# Allegro board IMX7D EVK BOARD REV D_160314.brd (continued)
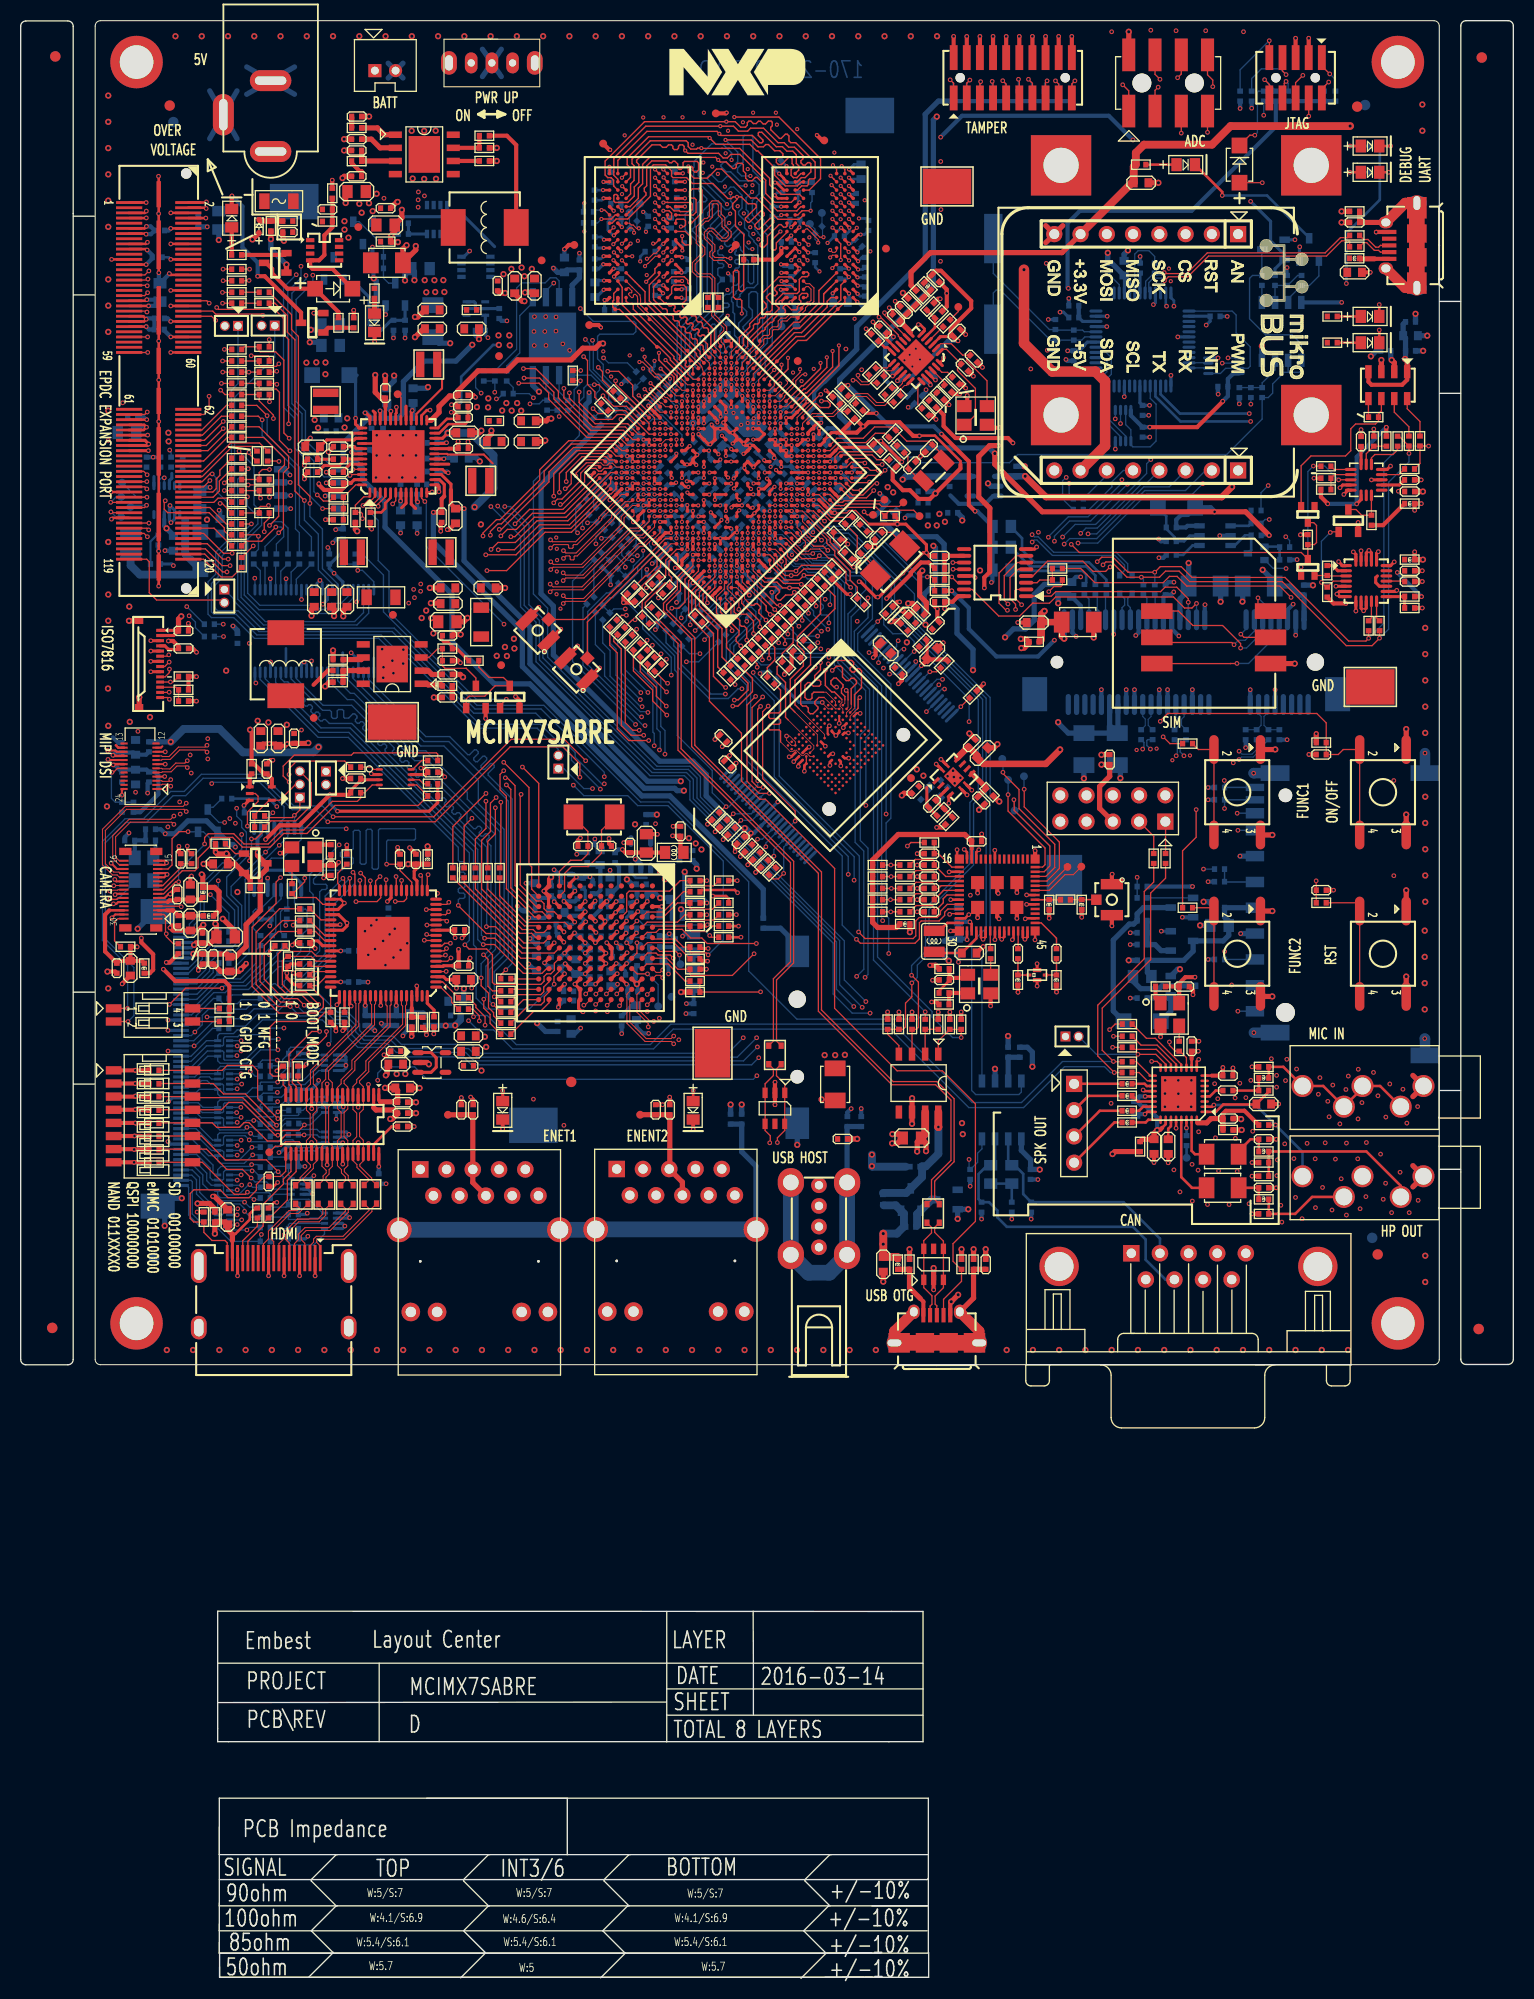
[diagram p0: board, top side]
## Routing (per net, layer and track width the routed paths; a pad name or vN(x,y) marks a point on that pad's centre or on a via; arc(x,y) is an arc through that point) (continued)
MX7_RST_B: length 36
  TOP w0.127: R347.2 C368.1 v1(125.3,106.16)
  L6_INT_2 w0.127: v1(122.39,136.37) 122.39,126.76 123.2,125.95 123.2,120.92 125.3,118.82 v1(125.3,106.16)
  BOTTOM w0.127: v1(122.39,136.37) 122.37,136.38 121.14,136.38 120.33,137.18 D15.2
NAND_ALE: length 20.8
  TOP w0.127: v1(71.81,115.2) 71.8,115.21 71.3,115.21 70.74,115.76 70.74,122.92 v1(71.77,123.95)
  L6_INT_2 w0.127: v1(75.27,130.78) 75.08,130.59 75.08,129.24 73.37,127.53 73.37,125.55 v1(71.77,123.95)
  BOTTOM w0.127: R457.2 74.59,131.46 v1(75.27,130.78) ; U12.17 v1(71.81,115.2)
NAND_CE0_B: length 29.6
  TOP w0.127: v1(72.07,109.46) 72.07,109.46 R334.2
  L3_INT_1 w0.127: v1(72.07,109.46) 72.07,111.37 61.58,121.86 61.58,122.76 v1(59.98,124.36)
  BOTTOM w0.127: R474.2 57.74,128.92 58.05,128.61 58.05,126.29 v1(59.98,124.36) ; U12.9 72.07,109.81 v1(72.07,109.46)
NAND_CE1_B: length 29.8
  TOP w0.127: v1(71.27,110.18) 71.27,110.18 R333.2
  L3_INT_1 w0.127: v1(71.27,110.18) 71.27,111.65 61.12,121.79 61.12,122.65 60.09,123.69 v1(59.93,123.69)
  BOTTOM w0.127: U12.10 71.74,110.18 v1(71.27,110.18) ; R473.2 56.98,129.18 57.58,128.58 57.58,126.04 v1(59.93,123.69)
NAND_CE2_B: length 34.2
  TOP w0.127: v1(69.66,112.01) 69.09,111.44 R335.2
  L3_INT_1 w0.127: v1(60.06,122.01) 60.34,122.01 69.66,112.69 v1(69.66,112.01)
  BOTTOM w0.127: U12.14 70.73,112.01 v1(69.66,112.01) ; R337.2 56.91,134 56.65,134 54.85,132.2 54.85,127.07 59.9,122.01 v1(60.06,122.01)
NAND_CE3_B: length 30.8
  TOP w0.127: v1(68.92,112.64) 68.91,112.64 R336.2
  L3_INT_1 w0.127: v1(68.92,112.64) 68.24,112.64 67.39,113.49 67.39,114.46 60.67,121.18 v1(60.39,121.18)
  BOTTOM w0.127: v1(60.39,121.18) 60.21,121.18 54.39,126.99 54.39,132.56 R338.2 ; U12.15 70.66,112.64 v1(68.92,112.64)
NAND_CLE: length 19.9
  TOP w0.127: v1(72.42,114.62) 71.42,114.62 70.25,115.8 70.25,123.17 v1(71.08,124)
  L6_INT_2 w0.127: v1(73.32,129.18) 72.91,128.77 72.91,125.82 v1(71.08,124)
  BOTTOM w0.127: R456.2 73.07,129.15 73.29,129.15 v1(73.32,129.18) ; v1(72.42,114.62) 72.39,114.59 71.9,114.59 U12.16
NAND_D0: length 16.4
  L3_INT_1 w0.127: v1(82.05,128.24) 82.05,128.24 81.85,128.43 81.44,128.43 81.32,128.3 81.32,127.73 81.19,127.6 80.94,127.6 80.81,127.73 80.81,128.3 80.68,128.43 80.43,128.43 80.3,128.3 80.3,127.73 80.17,127.6 79.92,127.6 79.79,127.73 79.79,128.3 79.67,128.43 79.41,128.43 79.29,128.3 79.29,127.81 79.16,127.68 78.9,127.68 78.78,127.81 78.78,128.3 78.65,128.43 v1(78.12,128.43)
  BOTTOM w0.127: v1(82.05,128.24) 82.72,128.24 U12.29 ; v1(78.12,128.43) 77.84,128.15 71.51,128.15 R448.2
NAND_D1: length 14.9
  L3_INT_1 w0.127: v1(78.17,127.77) 79.13,126.82 82.52,126.82 v1(82.97,127.26)
  BOTTOM w0.127: v1(78.17,127.77) 73.18,127.77 72.45,127.04 71.61,127.04 71.02,127.64 R449.2 ; v1(82.97,127.26) 82.97,127.78 U12.30
NAND_D2: length 14.3
  L3_INT_1 w0.127: v1(78.17,131.1) 78.5,131.44 79.44,131.44 80.08,130.79 83.23,130.79 83.76,130.27 85.03,130.27 85.41,129.89 85.41,129.69 85.25,129.53 85.03,129.53 v1(84.87,129.38)
  BOTTOM w0.127: v1(78.17,131.1) 78.17,131.69 77.99,131.87 77.46,131.87 77.3,132.02 77.3,132.23 77.63,132.56 77.63,132.78 77.01,133.4 R451.2 ; v1(84.87,129.38) 84.72,129.23 84.72,128.82 U12.31
NAND_D3: length 14.3
  L3_INT_1 w0.127: v1(78.07,130.48) 78.16,130.4 78.64,130.4 78.76,130.52 78.76,130.93 78.89,131.06 79.14,131.06 79.27,130.93 79.27,130.52 79.4,130.4 83.1,130.4 83.63,129.87 84.29,129.87 84.39,129.76 84.39,129.11 84.93,128.57 v1(85.43,128.57)
  BOTTOM w0.127: R450.2 76.15,132.78 76.69,132.24 76.69,131.87 v1(78.07,130.48) ; U12.32 85.17,128.57 v1(85.43,128.57)
NAND_D4: length 18.7
  L3_INT_1 w0.127: v1(77.45,130.3) 77.74,130.02 82.81,130.02 87.18,125.65 v1(89.17,125.65)
  BOTTOM w0.127: R452.2 75.47,132.12 77.3,130.3 v1(77.45,130.3) ; U12.41 88.62,125.65 v1(89.17,125.65)
NAND_D5: length 18.5
  L3_INT_1 w0.127: v1(77.08,129.83) 77.28,129.63 82.59,129.63 87.1,125.12 v1(88.8,125.12)
  BOTTOM w0.127: v1(88.8,125.12) 88.8,125.12 U12.42 ; v1(77.08,129.83) 75.15,129.83 74.17,130.82 R453.2
NAND_D6: length 19.9
  L3_INT_1 w0.127: v1(77.1,129.2) 77.18,129.28 82.36,129.28 87.05,124.59 89.23,124.59 v1(89.35,124.71)
  BOTTOM w0.127: R455.2 73.88,129.58 74.74,129.58 75.13,129.2 v1(77.1,129.2) ; v1(89.35,124.71) 89.09,124.71 U12.43
NAND_D7: length 20.5
  L3_INT_1 w0.127: v1(87.61,122.52) 87.61,123.48 82.19,128.9 77.7,128.9 77.4,128.59 v1(77.39,128.59)
  BOTTOM w0.127: U12.44 87.61,122.52 v1(87.61,122.52) ; R454.2 72.36,128.59 v1(77.39,128.59)
NAND_DQS: length 38.5
  L6_INT_2 w0.127: v1(60.11,123.01) 60.97,123.01 62.9,121.08 73.29,121.08 76.21,124 80,124 82.16,126.16 v1(84.03,126.16)
  BOTTOM w0.127: R342.2 56.3,131.39 56.3,129.15 57.01,128.44 57.01,125.95 59.96,123.01 v1(60.11,123.01) ; v1(84.03,126.16) 84.88,126.16 U12.35
NAND_RE_B: length 28.5
  TOP w0.127: v1(74.91,111.93) 74.91,112.9 71.77,116.05 71.77,122.52 v1(72.3,123.06)
  L6_INT_2 w0.127: v1(78.27,132.86) 78.27,132.43 76.03,130.19 76.03,126.79 v1(72.3,123.06)
  BOTTOM w0.127: v1(78.27,132.86) 78.32,132.91 78.32,134.13 R459.2 ; U12.8 74.9,111.93 v1(74.91,111.93)
NAND_READY_B: length 31
  TOP w0.127: v1(72.85,108.54) 72.66,108.54 R98.2 73.02,107.42 R339.1
  L3_INT_1 w0.127: v1(60.67,124.38) 61.99,123.06 61.99,121.99 72.85,111.12 v1(72.85,108.54)
  BOTTOM w0.127: U12.7 72.85,109.18 v1(72.85,108.54) ; R475.2 58.48,126.57 v1(60.67,124.38)
NAND_WE_B: length 23
  TOP w0.127: v1(71.29,115.84) 71.29,122.75 v1(71.56,123.03)
  L6_INT_2 w0.127: v1(71.56,123.03) 75.58,127.04 75.58,130.4 77.81,132.63 v1(77.81,133.39)
  BOTTOM w0.127: U12.18 71.29,115.39 v1(71.29,115.84) ; R458.2 77.16,134.05 v1(77.81,133.39)
NAND_WP_B: length 26.8
  TOP w0.127: R97.2 68.13,113.33 v1(68.24,113.33)
  BOTTOM w0.127: R112.2 60.54,132.07 60.54,130.63 63.25,127.92 63.25,126.57 63.51,126.31 63.51,120.21 66.89,116.83 66.89,114.67 v1(68.24,113.33) 68.52,113.33 69.26,114.07 U12.19
NVCC_1V8: length 13.6
  TOP w0.254: v1(12.24,167.17) 12.14,167.26 J13.19 ; v1(12.26,167.92) 12.1,167.76 J13.17 ; J13.25 v1(12.14,165.76) ; J13.1 v1(12.14,171.76)
  TOP w0.305: v3(68.75,142.28) 68.94,142.47 U7.L9 v3(69.75,142.47)
  TOP w0.508: R329.2 88.49,97.99 v1(87.95,97.99) ; v2(32.55,139.97) 32.37,140.15 R27.1 ; L15.1 v2(86.01,101.19)
  BOTTOM w0.305: C124.1 70.29,143.01 v3(69.75,142.47)
  BOTTOM w0.406: v1(12.14,165.76) 12.72,166.35 C254.1 12.72,166.69 v1(12.24,167.17)
  vias: v2(44.13,151.99) v2(45.23,152.82) v2(45.21,151.95)
NVCC_3V3: length 178.1
  TOP w0.254: J13.5 11.98,170.76 v1(12.15,170.94) ; U7.F10 66.08,139.82 66.08,139.82 v3(66.08,139.79) ; U7.M8 70.58,142.22 70.77,142.22 v3(70.79,142.24) ; U7.F12 65.02,141.94 v3(65.02,141.94) ; v3(64.58,144.26) 64.29,144.26 U7.H16 ; J13.45 11.86,160.76 v1(12.15,160.48) 11.93,160.26 J13.47 ; J13.49 v1(12.14,159.76) ; v3(70.86,143.54) 70.85,143.53 U7.N9 ; U7.F9 v3(66.61,139.29)
  TOP w0.305: R60.1 78.46,135.34 R59.1 79.91,133.88 v1(80.25,133.88) ; v1(24.78,87.78) 25.23,88.23 R142.1 ; U7.L17 64.74,146.43 v3(64.45,146.43) 64.24,146.43 U7.K18 ; U7.L17 65.02,146.7 v3(65.34,146.38) ; U7.L17 65.02,146.94 v3(65.43,147.36) 65.43,147.36 U7.M18 ; R139.2 26.38,96.15 25.74,96.79 v1(25.74,97.22) 25.74,97.76 R580.1 26.09,98.11 R132.1 ; 31.94,144.64 32.26,144.96 U4.47 ; v1(24.07,99) 24.07,99.34 R581.1 ; U45.7 39.15,116.43 C460.1 39.37,116.77 39.08,117.06 v1(38.71,117.06) ; U4.32 35.78,151.58 35.78,151.58 v1(35.82,151.58) ; R143.1 27.41,88.18 v1(27.64,88.41) ; 38.33,89.55 39.69,89.55 40.19,89.05 40.19,88.13 39.7,87.63 U14.3 ; 34.14,84.22 U15.2
  TOP w0.406: R318.1 11.63,81.44 11.59,81.48 v1(11.01,81.48) 11.01,81.47 SW2.6 ; v1(116.27,152.55) 116.27,152.52 113.79,150.04 v1(109.21,150.04) ; R477.1 112.04,95.94 C389.1 ; X3.4 112.05,94.34 C389.1 ; 31.94,144.64 C405.1 31.21,144.17 31,143.96 29.35,143.96 28.84,144.47 v1(28.84,144.57) ; R353.2 87.83,136.95 87.08,136.95 86.09,135.96 86.09,135.81 v1(83.76,133.47) ; v1(39.25,91.26) 39.25,91.63 R134.2 ; SW2.3 11.05,85.28 v1(11.11,85.34) 11.74,85.34 11.79,85.29 R315.1 ; SW2.4 11.08,84.01 v1(11.1,84.03) 11.73,84.03 11.78,83.98 R316.1 ; X2.4 28.49,107.65 C388.1 ; SW2.1 11.08,87.82 v1(11.09,87.84) 11.14,87.84 11.15,87.82 R313.1 ; R314.1 11.79,86.52 11.76,86.55 v1(11.07,86.55) 11.07,86.55 SW2.2 ; C388.1 30.45,107.65 v1(30.75,107.95) ; C388.1 R472.1 ; R257.2 v1(86.21,93.47) ; R317.1 11.11,82.71 v1(11.1,82.73) 11.08,82.74 SW2.5 ; R252.1 v1(84.95,93.47) ; v1(89.37,132.48) 89.36,132.48 C385.1 90.14,133.15 90.68,133.69 U38.16 ; SW2.8 10.96,78.93 v1(10.96,78.93) 11.7,78.93 11.72,78.91 R320.1 ; R253.1 v1(89.87,93.46) ; R319.1 11.71,80.17 11.71,80.18 v1(10.97,80.18) 10.95,80.2 SW2.7 ; C389.1 112.05,96.24 112.66,96.84 v1(113.58,96.84) ; 93.74,136.04 93.2,135.5 v1(93.2,134.49) ; R255.2 v1(88.75,93.47)
  TOP w0.508: v2(84.16,131.27) 84.89,131.27 R46.2 ; R327.1 94.61,113.83 v2(94.65,113.83) ; 34.14,84.22 34.37,83.99 36.15,83.99 C231.1 36.46,83.63 35.95,83.13 v2(35.75,83.13) ; v2(39.36,109.49) 39.37,109.48 39.37,109.24 39.37,109.23 L12.2 ; 93.74,136.04 93.74,142.21 92.67,143.27 92.67,147.21 93.71,148.25 v1(94.55,148.25)
  L6_INT_2 w0.406: v1(94.55,148.25) 95.34,147.47 103.9,147.47 105.24,148.81 107.98,148.81 v1(109.21,150.04)
  BOTTOM w0.254: v3(70.86,143.54) 71.57,143.54 C127.1 ; v3(70.79,142.24) 71.07,142.53 C118.1 ; v1(24.77,113.34) 24.01,114.11 R637.1 ; C113.1 64.57,144.25 v3(64.58,144.26)
  BOTTOM w0.305: C112.1 65.83,147.75 v3(65.43,147.36) ; v1(28.82,86.86) 28.82,86.66 28.15,86 26.95,86 R191.1 R190.1 ; C114.1 65.34,146.46 v3(65.34,146.38) ; R194.1 v1(27.82,89.45) ; v3(65.02,141.94) 64.66,141.94 64.12,141.4 63.34,141.4 C101.1 ; v3(64.45,146.43) 64.25,146.23 C109.1 ; v1(24.98,79.88) 25.11,79.88 25.78,80.55 R189.1 ; R34.1 56.3,136.45 R33.1 v1(57.06,134.79) ; v1(27.49,78.53) 27.44,78.53 27.43,78.54 R187.1 R188.1 ; R64.1 70.22,131.6 v1(70.22,131.26) ; R184.1 R183.1 27.53,71.53 v1(27.77,71.77) ; C122.1 66.74,139.29 v3(66.61,139.29) ; R192.1 R193.1 27.64,88.42 v1(27.64,88.41) ; v3(66.08,139.79) 65.45,140.42 C117.1 ; R186.1 R185.1 27.6,73.89 v1(27.72,74.01) ; R62.1 73.27,134.47 R61.1 72.87,134.07 v1(72.65,134.07) 72.7,134.02 72.7,133.23 R63.1
  BOTTOM w0.406: U19.8 107.38,151.17 C245.1 109.21,150.04 v1(109.21,150.04) ; v1(12.14,159.76) 12.42,159.48 C255.1 12.94,159.5 C256.1 12.23,160.56 v1(12.15,160.48) ; v1(30.47,140.13) 30.53,140.19 C408.1 31.18,141.8 30.82,142.16 U41.8 ; v1(116.27,152.55) 116.76,153.04 C241.1 116.76,154.7 117.29,155.23 U17.8 ; C48.1 35.62,152.16 35.62,151.78 v1(35.82,151.58)
  vias: v2(36.37,87.47) v2(37.2,87.48) v2(91.05,82.72) v2(91.12,81.65)
NVCC_DRAM: length 72.6
  TOP w0.254: U8.A1 v3(80.93,162.16) ; v3(68.73,154.12) 68.73,154.12 U7.AA20 ; U9.A1 63.45,162.57 63.46,162.56 v3(63.91,162.56) ; v3(58.99,167.8) 58.99,167.8 58.56,167.37 U9.G7 ; U7.V21 66.61,153.06 v3(66.61,153.06) ; v3(63.95,166.46) 63.85,166.57 U9.F1 ; U8.R1 v3(80.12,174.17) ; U7.AA18 69.79,153.06 v3(69.79,153.06) ; U8.K8 74.92,169.77 v3(74.53,169.38) ; U7.AA21 68.2,154.65 v3(68.2,154.65) ; v3(70.85,152) 70.85,152 U7.AA16 ; U8.R9 73.81,174.07 73.81,174.11 v3(73.36,174.56) ; U7.AA19 69.26,153.59 v3(69.26,153.59) ; v3(56.42,168.17) 56.72,168.17 U9.H9 ; U8.K2 v3(80.15,169.34) ; v3(67.67,154.12) 67.67,154.12 U7.Y21 ; U8.E9 74.1,165.79 v3(73.54,165.79) ; U9.K8 58.14,169.39 v3(58.15,169.39) ; v3(70.32,152.53) 70.32,152.53 U7.AA17 ; U7.T21 65.55,152 v3(65.55,152) ; U8.H2 v3(80.11,167.78) ; v3(73.58,164.97) 74.03,164.97 74.03,164.97 U8.D9 ; v3(80.97,163.72) 80.52,164.17 U8.C1 ; v3(63.97,164.18) 63.96,164.17 U9.C1 ; v3(67.14,153.59) 67.14,153.59 U7.W21 ; v3(80.1,164.56) 79.72,164.95 U8.D2 ; U8.G7 75.72,167.37 v3(76.16,166.93) ; U9.D2 62.55,164.97 v3(62.18,164.59) ; U8.H9 v3(74.52,168.58) ; v3(73.58,164.17) 74.04,164.17 74.04,164.17 U8.C9 ; U8.N1 v3(80.12,172.57) ; U9.H2 v3(62.16,167.77) ; U8.N9 73.6,172.17 73.23,172.17 v3(72.93,172.47) ; U9.N1 v3(64.25,172.17) ; U7.U21 66.08,152.53 v3(66.08,152.53) ; U9.R9 v3(56.37,173.77) ; U9.B2 v3(62.17,163.76) ; U8.F1 80.52,166.57 v3(81,166.09) ; U4.24 40.35,149.96 41.24,150.84 42.18,150.84 C24.1 42.3,151.1 41.92,151.48 v1(41.65,151.48) ; U8.A8 v3(74.46,162.12) ; U8.B2 79.72,163.37 v3(80.12,162.97) ; U9.K2 v3(62.16,170.17) ; U9.R1 v3(64.25,173.77)
  TOP w0.305: v3(56.35,165.79) 56.38,165.77 U9.E9 ; v3(57.35,165.36) U9.D9 ; U9.A8 57.76,162.48 v3(57.76,162) ; U9.N9 56.38,172.17 v3(56.38,172.17) ; U9.C9 56.95,164.17 56.9,164.22 v3(56.42,164.22)
  BOTTOM w0.254: C153.1 74.01,163.73 v3(73.58,164.17) ; v3(74.53,169.38) 74.4,169.5 C167.1 ; C151.1 63.24,164.18 v3(63.97,164.18) ; C144.1 64.01,162.46 v3(63.91,162.56) ; v3(72.93,172.47) 73.19,172.74 C174.1 ; v3(62.16,167.77) 62.12,167.77 C160.1 ; v3(58.15,169.39) 58.15,170.12 C142.1 ; C159.1 81.52,163.72 v3(80.97,163.72) ; C145.1 72.87,175.05 v3(73.36,174.56) ; C155.1 61.37,163.76 v3(62.17,163.76) ; C175.1 56.15,168.44 v3(56.42,168.17) ; v3(80.12,174.17) 80.25,174.03 C164.1 ; C147.1 64.24,173.78 v3(64.25,173.77) ; C165.1 80.15,168.98 v3(80.15,169.34) ; C150.1 62.81,170.17 v3(62.16,170.17) ; C161.1 80.73,172.57 v3(80.12,172.57) ; v3(80.11,167.78) 80.29,167.78 C166.1 ; v3(56.38,172.17) 56.2,172 C157.1 ; C163.1 79.93,164.39 v3(80.1,164.56) ; R85.2 61.31,155.92 v3(61.31,156.45) ; v2(46.25,157.99) 45.69,157.99 42.6,154.91 42.6,152.44 v1(41.65,151.48) ; C162.1 81.36,166.46 v3(81,166.09) ; v3(76.16,166.93) 76.83,166.93 C168.1 ; C143.1 58.08,165.36 v3(57.35,165.36) ; C176.1 64.37,166.46 v3(63.95,166.46) ; C158.1 73.77,165.56 v3(73.54,165.79) ; C149.1 63.51,172.17 v3(64.25,172.17)
  BOTTOM w0.305: C172.1 55.72,164.22 v3(56.42,164.22) ; TP19.1 75.03,161.18 C156.1 75.02,161.56 v3(74.46,162.12) ; C170.1 74.54,168.56 v3(74.52,168.58) ; v3(56.37,173.77) 56.41,173.73 C169.1 ; C146.1 60.27,170.86 v3(60.21,170.86) ; v3(80.93,162.16) 81.34,161.74 C178.1 ; C180.1 80.12,162.23 v3(80.12,162.97) ; C177.1 57.44,161.68 v3(57.76,162) ; C152.1 55.91,165.35 v3(56.35,165.79)
  vias: v2(46.21,158.92) v2(47.26,158.92) v2(47.31,157.96)
NVCC_DRAM_CKE: length 8.9
  TOP w0.137: v3(68.2,153.6) 68.2,153.6 U7.Y20
  L6_INT_2 w0.127: 65.52,155.03 66.23,155.03 66.45,154.82 66.45,154.82 66.76,154.5 66.76,154.5 66.98,154.29 66.98,154.28 67.67,153.6 v3(68.2,153.6)
  L6_INT_2 w0.305: v3(62.8,154.73) 63.1,155.03 65.52,155.03
  BOTTOM w0.254: R85.1 61.67,154.92 61.83,155.09 62.44,155.09 v3(62.8,154.73) 62.8,154.29 C140.1
NVCC_SD1: length 29.4
  TOP w0.254: v3(67.14,138.73) 67.14,138.55 67.14,138.55 U7.E7
  TOP w0.305: U4.33 35.28,151.97
  TOP w0.406: 35.28,151.97 35.28,152.84 C49.1
  TOP w0.508: C49.1 34.86,152.85 34.29,153.42 v2(34.29,155.08)
  L6_INT_2 w0.508: v1(114.85,98.55) 113.34,100.05 v1(113.34,105.61) 113.34,109.08 114.85,110.58 v1(114.85,114)
  BOTTOM w0.305: v3(67.14,138.73) 67.66,138.21 C104.1
  BOTTOM w0.406: R100.1 v1(114.85,115.18) ; R101.1 v1(114.85,114) ; R99.1 v1(114.85,98.55) ; v1(113.34,105.61) 113.14,105.61 113.14,105.6 R491.2
  vias: v2(92.79,136.18)
NVCC_SD2: length 6.3
  TOP w0.254: v3(68.72,140.23) 68.6,140.35 U7.H8
  TOP w0.508: R325.1 87.59,132.11 87.59,133.09 86.96,133.72 86.96,135.91 v2(87.21,136.16)
  BOTTOM w0.254: v3(68.72,140.23) 68.82,140.13 68.82,139.47 C108.1
NVCC_SD3: length 32.4
  TOP w0.254: v1(74.33,118.15) 74.53,118.15 U10.P3 ; v1(79.57,120.97) 79.57,121.07 U10.C6 ; v1(76.26,119.09) 76.24,119.07 76.15,119.07 U10.M4 U10.N4 ; U10.P5 75.21,117.41 75.21,117.23 v1(75.22,117.22) ; U7.K8 69.26,141.76 v3(69.49,141.99)
  TOP w0.406: v1(67.85,119.14) 67.85,119.15 C184.1 ; R93.1 74.56,128.23 74.56,126.9 R94.1 73.87,126.21 v1(73.87,126.1) ; v1(69.2,117.54) 69.18,117.54 C185.1
  L6_INT_2 w0.508: v2(88.28,138.56) 87.17,139.67 77.99,139.67 77.12,140.54 75.7,140.54 74.63,139.47 73.65,139.47
  BOTTOM w0.254: C110.1 69.83,141.99 v3(69.49,141.99)
  BOTTOM w0.508: v2(88.28,138.56) 88.48,138.36 88.48,134.98 87.39,133.89 87.39,131.06 v2(87.51,130.93)
  vias: v1(80.91,131.26) v1(83.45,126.74) v2(85.71,129.23)
OTG_VBUS: length 11.1
  TOP w0.305: 84.85,69.72 L39.2
  TOP w0.762: v2(83.43,72.03) v2(83.43,71.01) C298.1 84.79,69.77 84.85,69.72
  BOTTOM w0.127: R571.1 83.48,74.77
  BOTTOM w0.305: R570.1 85.43,72.87
  BOTTOM w0.762: 83.48,74.77 84.63,74.77 Q24.2 85.43,73.97 85.43,72.71 84.75,72.03 v2(83.43,72.03) v2(83.43,71.01)
OUT3: length 1.5
  TOP w0.254: U24.30 v1(112.75,82.25)
  BOTTOM w0.254: C276.1 112.76,82.24 v1(112.75,82.25)
OVRPRTC: length 3.1
  TOP w0.406: R8.1 R6.2 29.74,159.65 Q5.1
OVRPRTC_LED: length 16.7
  TOP w0.406: Q5.3 27.12,161.12 23.61,164.64 v1(22.92,164.64) ; v1(20.43,172.41) 20.41,172.39 D2.2
  BOTTOM w0.406: v1(22.92,164.64) 22.92,165.96 21.45,167.43 21.45,171.39 v1(20.43,172.41)
OVRPRTC_LED_PWR: length 2.7
  TOP w0.406: D2.1 20.41,166.71 R4.2
PCI3_UIM_CLK: length 13.8
  TOP w0.127: J7.3 111.98,132.25 113.38,130.85 116.25,130.85 117.99,129.11 v1(117.99,128.68)
  BOTTOM w0.127: v1(117.99,128.68) 118.56,128.68 120.13,130.24 J8.12
PCIE_CLK_GEN_SCL: length 124.7
  TOP w0.127: U42.8 85.7,158.72 83.55,160.88 v1(83.55,161.11)
  L6_INT_2 w0.127: v1(83.55,161.11) 83.25,161.41 71.21,161.41 70.6,162.02 67.65,162.02 66.94,161.31 60.4,161.31 57.91,163.8 55.71,163.8 54.55,164.97 54.55,165.63 53.53,166.64 53.53,167.66 52.56,168.62 37.76,168.62 36.62,169.76 34.5,169.76 32.47,167.73 28.01,167.73 26.43,169.31 18.7,169.31 16.59,167.2 13.24,167.2 12.71,166.67 11.62,166.67 11.01,166.06 11.01,151.69 10.5,151.18 10.5,135.17 13.39,132.28 15.81,132.28 v1(16.29,131.79)
  BOTTOM w0.127: v1(16.29,131.79) 16.9,131.18 16.9,130.65 R595.2
PCIE_CLK_GEN_SDA: length 122.3
  TOP w0.127: U42.9 84.9,158.83 84.9,158.95 83.17,160.67 v1(83.02,160.67)
  L6_INT_2 w0.127: v1(16.06,132.68) 13.52,132.68 10.88,135.32 10.88,151.02 11.39,151.53 11.39,165.86 11.82,166.29 12.86,166.29 13.4,166.82 16.75,166.82 18.86,168.93 26.28,168.93 27.85,167.35 32.73,167.35 34.68,169.31 36.44,169.31 37.57,168.18 52.38,168.18 53.08,167.47 53.08,166.46 54.1,165.44 54.1,164.78 55.99,162.88 58.18,162.88 60.18,160.88 67.16,160.88 67.84,161.56 70.33,161.56 70.94,160.95 82.74,160.95 v1(83.02,160.67)
  BOTTOM w0.127: v1(16.06,132.68) R596.2
PCIE_CRXP: length 2.7
  BOTTOM w0.104: J8.25 111.73,122.05 112,121.78 112,121.17 R125.2
PCIE_CTXM: length 2.7
  BOTTOM w0.104: J8.31 109.33,122.05 109.05,121.77 109.05,121.2 C207.2
PCIE_CTXP: length 2.7
  BOTTOM w0.104: C208.2 108.77,121.18 108.77,121.8 108.53,122.05 J8.33
PCIE_DIS_B: length 26.5
  TOP w0.127: v1(113.73,132.99) 113.29,132.55 112.57,132.55 111.5,133.61 100.1,133.61 99.5,133.01 97.88,133.01 96.63,131.77 94.6,131.77 92.03,134.34 U38.15
  BOTTOM w0.127: J8.20 v1(113.73,132.99)
PCIE_REFCLK_N: length 10.2
  TOP w0.104: U7.AE10 76.16,150.55 76.68,151.07 78.62,151.07 79.12,151.56 R608.2 79.98,151.56 R607.1 80.77,152.88 80.89,153 81.81,153 82.67,152.14 83.58,152.14 83.89,152.45 R633.1
PCIE_REFCLK_P: length 10.8
  TOP w0.104: U7.AD10 75.63,150.41 76.57,151.35 78.5,151.35 79.23,152.09 R606.2 80.04,153.08 R605.1 80.58,153.08 80.78,153.28 81.93,153.28 82.79,152.42 83.46,152.42 83.6,152.56 R632.1
PCIE_REFCLKOUT_N: length 76.3
  TOP w0.104: R598.2 82.2,154.31 82.03,154.15 81.25,154.15 80.82,154.58 v1(80.5,154.58) ; U7.AC10 75.63,149.36 v3(75.63,149.36)
  L3_INT_1 w0.102: v3(75.63,149.36) 75.63,149.5 76.02,149.89 76.02,150.16
  L3_INT_1 w0.117: 76.02,150.16 76.02,150.68 76.85,151.5 76.85,153.49 78.45,155.09 80.29,155.09 80.5,154.87 v1(80.5,154.58)
  L6_INT_2 w0.117: v1(80.5,154.58) 80.74,154.58 81.3,154.02 82.73,154.02 83.65,153.1 93.67,143.07 105.05,143.07 112.23,135.89 112.23,130.48 116.47,126.24 116.47,118.66 116.97,118.15 117.58,118.15 v1(117.84,117.89)
  BOTTOM w0.104: v1(117.84,117.89) 118.08,118.13 119.21,118.13 120.03,118.94 120.03,119.14 C459.1
PCIE_REFCLKOUT_N0: length 3.8
  BOTTOM w0.104: R634.1 C459.2 120.26,121.2 120.26,122.07 120.53,122.34 J8.11
PCIE_REFCLKOUT_P: length 76.3
  TOP w0.104: v1(80.99,155.06) 80.99,154.81 81.37,154.43 81.91,154.43 82.04,154.55 R597.2 ; U7.AB10 75.1,148.83 v3(75.1,148.83)
  L3_INT_1 w0.102: 75.74,150.16 75.75,150.14 75.75,150 75.1,149.34 v3(75.1,148.83)
  L3_INT_1 w0.117: v1(80.99,155.06) 80.71,155.06 80.4,155.37 78.33,155.37 76.57,153.6 76.57,151.62 75.74,150.79 75.74,150.16
  L6_INT_2 w0.117: v1(80.99,155.06) 80.99,154.73 81.42,154.3 82.84,154.3 93.79,143.35 105.17,143.35 112.51,136.01 112.51,130.6 116.75,126.36 116.75,118.77 117.09,118.43 117.58,118.43 v1(117.84,118.7)
  BOTTOM w0.104: v1(117.84,118.7) 118.13,118.41 119.1,118.41 119.75,119.06 119.75,119.6 C458.1
PCIE_REFCLKOUT_P0: length 3.8
  BOTTOM w0.104: R635.1 C458.2 119.98,121.2 119.98,122.07 119.73,122.31 J8.13
PCIE_RST_B: length 18.5
  TOP w0.127: v1(112.93,133.1) 112.93,133.45 111.81,134.56 110.69,134.56 110.25,134.13 100.11,134.13 99.68,133.69 U38.1
  BOTTOM w0.127: v1(112.93,133.1) J8.22
PCIE_RX_N: length 69.2
  TOP w0.104: 76.66,152.14 75.63,151.11 U7.AE11
  TOP w0.137: v1(77.45,152.56) 78.05,152.56 78.29,152.32 78.29,152.09 78.14,151.94 77.33,151.94 76.97,152.3 76.82,152.3 76.66,152.14
  L6_INT_2 w0.137: v1(112.52,118.25) 112.27,118 112.27,117.72 112.46,117.52 113.63,117.52 114.11,118 114.11,125.37 110.51,128.96 110.51,135.84 104.27,142.08 92.89,142.08 82.21,152.76 77.65,152.76 77.45,152.57 v1(77.45,152.56)
  BOTTOM w0.137: R124.1 112.23,119.81 112.15,119.73 112.15,118.62 v1(112.52,118.25)
PCIE_RX_P: length 69.2
  TOP w0.104: 76.49,152.37 75.1,150.97 U7.AD11
  TOP w0.137: v1(77.39,153.21) 77.34,153.21 76.49,152.37
  L6_INT_2 w0.137: v1(77.39,153.21) 77.55,153.05 82.33,153.05 93.01,142.37 104.39,142.37 110.81,135.96 110.81,129.08 114.4,125.49 114.4,117.88 113.75,117.23 112.34,117.23 111.97,117.6 111.97,118.04 v1(111.76,118.25)
  BOTTOM w0.137: v1(111.76,118.25) 111.87,118.36 111.87,119.55 R125.1
PCIE_SMB_CLK: length 2.4
  BOTTOM w0.127: J8.30 109.73,133.8 R506.2
PCIE_SMB_DATA: length 2.6
  BOTTOM w0.127: R504.2 108.93,133.49 J8.32
PCIE_TX_N: length 67.6
  TOP w0.104: v3(75.1,149.89) 75.1,149.89 74.57,149.89 U7.AC11
  L6_INT_2 w0.137: v3(75.1,149.89) 74.75,149.89 74.61,150.03 74.61,150.5 74.76,150.65 74.85,150.65 75.05,150.46 75.14,150.46 75.32,150.63 75.32,150.72 75.12,150.92 75.12,151.01 75.3,151.19 75.39,151.19 75.62,150.95 75.71,150.95 75.9,151.14 75.9,151.23 75.67,151.46 75.67,151.54 75.85,151.72 81.18,151.72 91.79,141.1 103.71,141.1 108.85,135.96 108.85,127.67 111.57,124.95 111.57,119.73 109.84,118 109.08,118 108.81,118.27 108.81,118.45 v1(109.27,118.91)
  BOTTOM w0.137: C207.1 109.01,119.81 108.93,119.73 108.93,119.25 v1(109.27,118.91)
PCIE_TX_P: length 67.6
  TOP w0.104: v3(74.57,149.36) 74.57,149.36 U7.AB11
  L6_INT_2 w0.137: v3(74.57,149.36) 74.57,149.68 74.33,149.92 74.33,150.62 75.73,152.01 81.3,152.01 91.92,141.4 103.83,141.4 109.14,136.08 109.14,127.79 111.86,125.08 111.86,119.61 109.96,117.71 108.96,117.71 108.52,118.15 v1(108.52,118.91)
  BOTTOM w0.137: v1(108.52,118.91) 108.65,119.03 108.65,119.54 C208.1
PCIE_UIM_DATA: length 4.9
  TOP w0.127: v1(119.68,133.53) 119.68,132.69 120.11,132.25 J7.6
  BOTTOM w0.127: J8.10 120.93,132.28 v1(119.68,133.53)
PCIE_UIM_PWR: length 14.3
  TOP w0.127: v1(117.64,127.18) 117.02,127.18 117.01,127.17 J7.1
  BOTTOM w0.127: J8.8 121.73,130.15 118.76,127.18 v1(117.64,127.18)
PCIE_UIM_RST: length 11.4
  TOP w0.127: J7.2 110.4,129.21 117.15,129.21 v1(117.36,129)
  BOTTOM w0.127: v1(117.36,129) 117.78,129.42 118.43,129.42 119.33,130.32 J8.14
PCIE_UIM_VPP: length 4.6
  TOP w0.127: J7.5 118.32,129.71 v1(118.02,130.02)
  BOTTOM w0.127: v1(118.02,130.02) 118.53,130.53 J8.16
PCIE_USB_DM: length 2.8
  BOTTOM w0.127: J8.36 107.33,132.58 107.08,132.83 107.08,133.5 L10.1
PCIE_USB_DP: length 2.8
  BOTTOM w0.127: J8.38 106.53,132.58 106.78,132.83 106.78,133.44 L10.2
PERI_3V3: length 121.8
  TOP w0.254: U24.8 115.22,87.31 ; 113.25,88.92 U24.10
  TOP w0.305: C280.1 15.17,128.54 14.29,128.54 13.94,128.89 J18.4
  TOP w0.406: 28.33,125.12 29.71,126.5 R10.1 ; v1(116.28,88.1) 116.28,88.09 C267.1 116.28,87.31 115.22,87.31 ; C280.1 15.27,128.83 14.74,129.36 v1(14.29,129.36) ; v1(123.78,139.62) 123.8,139.65 R351.1 ; 22.34,120.54 R548.1 22.36,117.49 22.54,117.49 23.53,116.5 C404.1 24.29,116.02 U39.5 ; R489.1 R498.1 16.99,125.92 v1(17,125.9) ; v1(95.97,148.51) 95.49,148.99 90.41,148.99 89.27,150.13 89.27,151.22 R610.2 ; L20.1 v1(134.83,137.98) ; v1(134.83,141.99) L21.1 v1(135.47,142.64) ; 113.25,88.92 113.25,89.68 C268.1 v1(113.91,89.68)
  TOP w0.508: v2(96.79,128.67) 97.06,128.67 97.53,129.13 R120.2 97.25,129.56 v2(96.73,129.56) ; R365.1 86.12,163.76 86.12,165.05 88,166.92 100.72,166.92 J32.7 ; R312.1 v2(118.1,82.06) ; J20.5 104.35,113.16 104.35,115.28 105.33,116.26 C284.1 104.59,117.41 104.58,117.4 v2(104.53,117.4) ; L20.1 v2(135.63,137.23) ; R354.1 18.84,109.16 18.84,108.94 v1(18.86,108.91) 19.02,108.76 19.87,108.76 v2(19.91,108.79) 20.03,108.67 20.03,107.8 C386.1 20.73,107.79 Q13.2 22.2,106.32 R355.2
  TOP w0.762: J32.7 107.48,173.68 C390.1 107.66,175.23 R556.1 107.86,176.57 108.65,177.36 115.22,177.36 117.03,179.16 v2(128.59,179.16)
  BOTTOM w0.254: U36.18 25.66,128.64 ; U36.1 34.16,127.72 ; v1(25.67,135.38) 25.66,135.37 U36.31 ; 31.15,128.21 31.16,128.21 U36.7
  BOTTOM w0.305: R332.1 30.9,137.77 29.94,136.8 C381.1 29.85,136.38 v1(30.31,135.91) 31.16,135.06 U36.42
  BOTTOM w0.406: U40.8 v1(127.77,162.1) ; R244.1 v1(91.83,76.61)
  BOTTOM w0.508: v2(98.56,78.23) 98.55,78.24 C278.1 97.68,79.19 96.78,80.08 U25.5 ; L22.1 v2(134.91,161)